# Altium PCB NixieDriver.PcbDoc (continued)
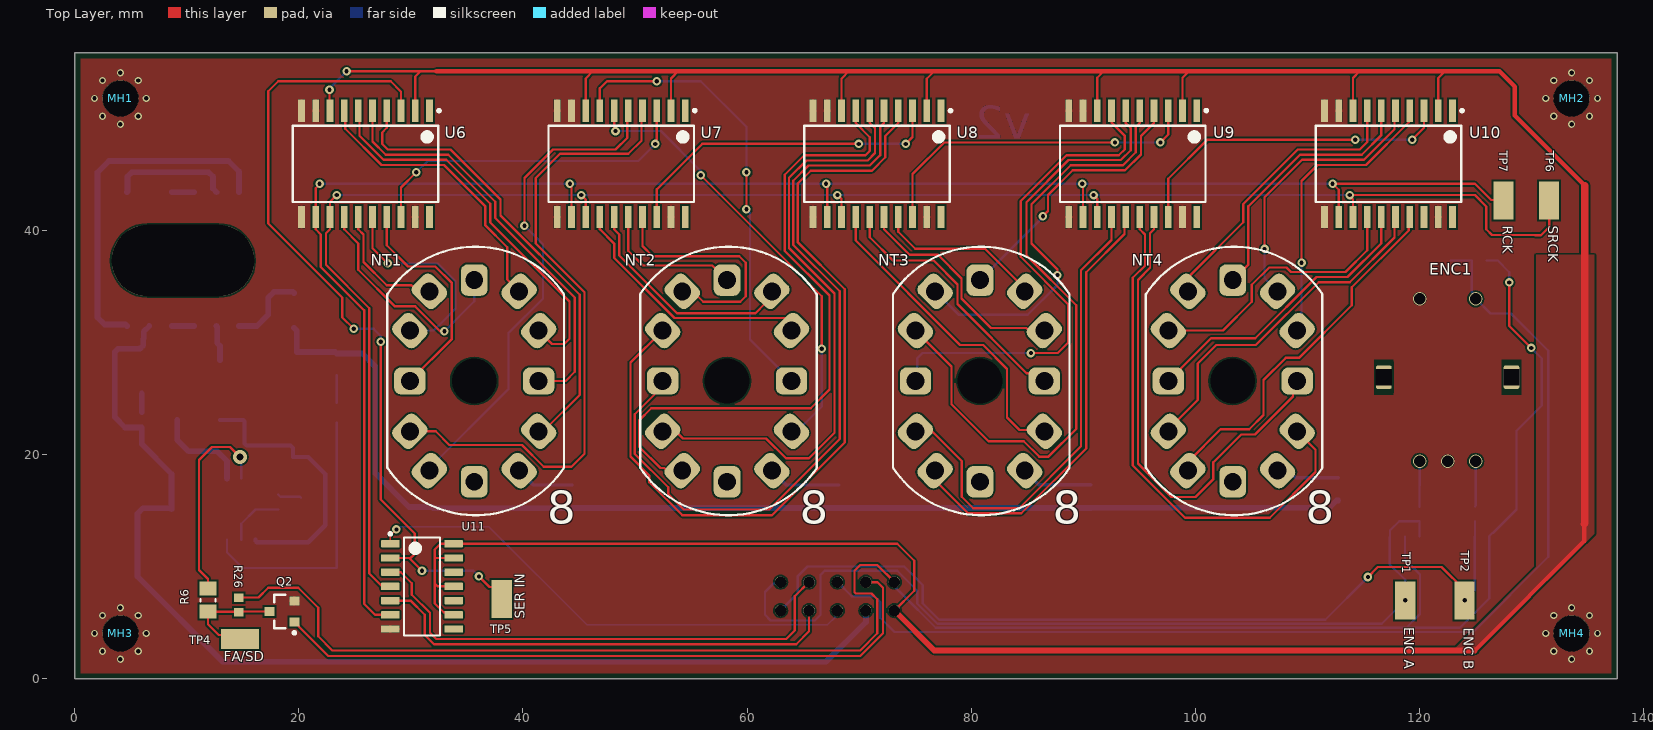
[diagram p0: Top Layer view]
## Part data (continued)
R1 R2 R3 R23 R24 R26: library part CMP-2000-07452-1, "Chip Resistor, 10 KOhm, +/- 1%, 0.1 W, -55 to 155 degC, 0603 (1608 Metric), RoHS, Tape and Reel", Case\/Package=0603, Case Code (Metric)=1608, Manufacturer=Panasonic, Max Operating Temperature=155degC, Max Power Dissipation=100mW, Min Operating Temperature=-55degC, Package Description="2-Pin Surface Mount Device, Body 1.6 x 0.85 mm", Package Quantity=1, Package Reference=603, Resistance=10k, Temperature Coefficient=100ppm\/degreesC, Tolerance=1%, Voltage Rating=75V, Case Code (Imperial)=0603, Composition=ThickFilm, Contact Plating=Tin, Datasheet URL=https://industrial.panasonic.com/cdbs/www-data/pdf/RDA0000/AOA0000C304.pdf, Datasheet Version=02/2017, Depth=0.8mm, Height=0.45mm, Lead Free=LeadFree, Length=1.6mm, Manufacturer URL=http://www.panasonic.com/, Military Standard=Not, Mount=SurfaceMount, Mounting Technology=SurfaceMount, Number of Pins=2, Number of Terminations=2, Packaging=TapeandReel, Power Rating=100mW, Radiation Hardening=No, REACH SVHC=NoSVHC, RoHSCompliant=true, Termination=SMD/SMT, Voltage Rating (DC)=75V, Width=0.031inch
R4: library part CMP-2005-03224-1, Manufacturer=Panasonic, Part Number=ERJ-14NF2490U
R5: library part CMP-2001-04378-1, Manufacturer=Panasonic, Part Number=ERJ-6ENF1004V
R6: library part CMP-2001-03939-1, Manufacturer="Vishay Dale", Part Number=CRCW080547K0FKEA
R7: library part CMP-2001-01154-1, Manufacturer=Yageo, Part Number=RC0805FR-07453KL
R8: library part CMP-1665-00006-4, "Chip Resistor, 4.7 KOhm, +/- 1%, 0.125 W, -55 to 155 degC, 0805 (2012 Metric), RoHS, Tape and Reel", Manufacturer=Panasonic, Max Operating Temperature="155 degC", Min Operating Temperature="-55 degC", Package Quantity=5000, Voltage Rating="150 V", ComponentLink1Description="Manufacturer URL", ComponentLink1URL=http://www.panasonic.com/, ComponentLink2Description=Datasheet, ComponentLink2URL=http://industrial.panasonic.com/cdbs/www-data/pdf/RDA0000/AOA0000C86.pdf, DatasheetVersion=04/2015, Height="0.6 mm", Length="2 mm", Mount="Surface Mount", Mounting Technology="Surface Mount", PackageDescription="2-Pin Surface Mount Device, Body 2 x 1.25 mm", PackageReference=0805, Packaging="Tape and Reel", Pins=2, REACH SVHC=Yes, RoHSCompliant=true
R9: library part CSRN2010FK60L0, "RES 0.06 OHM 1% 1W 2010", Case/Package=2010, Case Code (Metric)=5025, Manufacturer="Stackpole Electronics", Max Operating Temperature=155°C, Max Power Dissipation=1W, Min Operating Temperature=-55°C, Resistance=60mR, Supplier Part Number 1=CSRN2010FK60L0CT-ND, Temperature Coefficient=250ppm/°C, Tolerance=1%, Case Code (Imperial)=2010, ComponentLink1Description=http://www.seielect.com/catalog/SEI-CSR_CSRN.pdf?src-supplier=Avnet, ComponentLink1URL=http://www.seielect.com/catalog/SEI-CSR_CSRN.pdf?src-supplier=Avnet, ComponentLink2Description=http://www.seielect.com/Catalog/SEI-csr.pdf?src-supplier=Future+Electronics, ComponentLink2URL=http://www.seielect.com/Catalog/SEI-csr.pdf?src-supplier=Future+Electronics, ComponentLink3Description=https://www.seielect.com/Catalog/SEI-CSR_CSRN.pdf?src-supplier=Digi-Key, ComponentLink3URL=https://www.seielect.com/Catalog/SEI-CSR_CSRN.pdf?src-supplier=Digi-Key, Composition="Thick Film", Contact Plating=Tin,Matte, Height=0.03inch, Lead Free="Lead Free", Length=0.197inch, Manufacturer Part Number=CSRN2010FK60L0, Mount="Surface Mount", Number of Terminations=2, Packaging="Tape and Reel", Power Rating=1W, Pricing 1="1=0.66000, 10=0.49100, 25=0.39840, 50=0.34660, 100=0.28590, 250=0.24832, 500=0.20212 (USD)", Radiation Hardening=No, RoHS=Yes, Stock 1=91000, Supplier 1=Digi-Key, Width=0.097inch
R10: library part CMP-2000-06926-1, "Chip Resistor, 10.2 KOhm, +/- 1%, 0.1 W, -55 to 155 degC, 0603 (1608 Metric), RoHS, Tape and Reel", Case Code - in=0603, Case Code - mm=1608, Manufacturer=Yageo, Operating Temperature Range=-55Cto+155C, Package / Case=0603(1608metric), Package Description="2-Pin Surface Mount Device, Body 1.6 x 0.8 mm", Power Rating=100mW, Resistance=10.2kOhms, Temperature Coefficient=100PPM/C, Tolerance=1%, Voltage Rating=75V, Brand=Yageo, Datasheet URL=http://www.yageo.com/documents/recent/PYu-RC_Group_51_RoHS_L_7.pdf, Datasheet Version="Rev. 7, 05/2017", Height=0.45mm, Length=1.6mm, Manufacturer URL=http://www.yageo.com/, Mounting Technology=SurfaceMount, Package Reference=0603, Packaging=Reel, Product=ThickFilmResistorsGeneralPurpose, Product Category=ThickFilmResistors, RoHS=True, Series=RC, Termination Style=SMD/SMT, Type=GeneralPurposeChipResistorSurfaceMount, Unit Weight=0.000071oz, Width=0.8mm
R19 R20 R21 R22: library part CMP-2001-03688-1, Manufacturer="Vishay Dale", Resistance=22k, Part Number=CRCW080522K0FKEA
T1: library part CMP-1376-00017-1, "Flexible Transformer for DC/DC Converter WE-FLEX, L=8.5µH", Manufacturer="Wuerth Elektronik", ComponentLink1Description="Manufacturer URL", ComponentLink1URL=http://www.we-online.com, ComponentLink2Description=Datasheet, ComponentLink2URL=http://www.we-online.de/katalog/media/pdf/749196141.pdf, Lbase=8.5µH, PackageReference=ER11_5, PartNumber=749196141
U2: library part CMP-0063-01438-3, "High Efficiency Low-Side N-Channel Controller for Switching Regulator, 8-pin Narrow SOIC, 2500 Reel", Manufacturer="Texas Instruments", PackageTopMarking=NSZXTT*L3478*MA, PowerWise=N, Code_IPC=SOIC127P600-8, Code_JEDEC=MS-012-AA, ComponentLink1Description="Datasheet URL", ComponentLink1URL=http://www.ti.com/general/docs/lit/getliterature.tsp?genericPartNumber=LM3478&fileType=pdf, CompType=MiscPower, High-Reliability=Y, PackageDescription="SOIC Narrow, 4.9 x 3.9 x 1.45mm, 8 Lead, 1.27mm Pitch", PackageReference=D0008A, PartNumber=LM3478MAX/NOPB, PinCount=8, RoHS=Y
U6 U7 U8 U9 U10: library part TPIC6B595DWRG4, "IC PWR 8-BIT SHIFT REGIS 20-SOIC", Case/Package=SOIC-20, Manufacturer="Texas Instruments", Max Operating Temperature=125°C, Max Supply Voltage=5.5V, Min Operating Temperature=-40°C, Min Supply Voltage=4.5V, Operating Supply Voltage=5V, Package Quantity=2000, Supplier Part Number 1=296-26898-1-ND, ComponentLink1Description=https://datasheet.ciiva.com/15093/getdatasheetpartid-416702-15093935.pdf?src-supplier=Verical, ComponentLink1URL=https://datasheet.ciiva.com/15093/getdatasheetpartid-416702-15093935.pdf?src-supplier=Verical, ComponentLink2Description=https://datasheet.ciiva.com/27056/2036461-27056391.pdf?src-supplier=Jameco, ComponentLink2URL=https://datasheet.ciiva.com/27056/2036461-27056391.pdf?src-supplier=Jameco, ComponentLink3Description=https://datasheet.ciiva.com/26866/tpic6b595dwrg4-26866137.pdf?src-supplier=IIIC, ComponentLink3URL=https://datasheet.ciiva.com/26866/tpic6b595dwrg4-26866137.pdf?src-supplier=IIIC, ComponentLink4Description=https://datasheet.ciiva.com/1886/tpic6b595-1886437.pdf?src-supplier=Digi-Key, ComponentLink4URL=https://datasheet.ciiva.com/1886/tpic6b595-1886437.pdf?src-supplier=Digi-Key, ComponentLink5Description=https://datasheet.ciiva.com/1886/tpic6b595-1886438.pdf?src-supplier=Digi-Key, ComponentLink5URL=https://datasheet.ciiva.com/1886/tpic6b595-1886438.pdf?src-supplier=Digi-Key, ComponentLink6Description=https://datasheet.ciiva.com/1886/tpic6b595-1886439.pdf?src-supplier=Digi-Key, ComponentLink6URL=https://datasheet.ciiva.com/1886/tpic6b595-1886439.pdf?src-supplier=Digi-Key, ComponentLink7Description=https://datasheet.ciiva.com/46435/1775182-46435882.pdf?src-supplier=Element14, ComponentLink7URL=https://datasheet.ciiva.com/46435/1775182-46435882.pdf?src-supplier=Element14, ComponentLink8Description=https://datasheet.ciiva.com/48704/001074740-da-01-en-ic-pwr-8-bit-tpic6b595dwrg4-soic-20-tid-48704859.pdf?src-supplier=Conrad, ComponentLink8URL=https://datasheet.ciiva.com/48704/001074740-da-01-en-ic-pwr-8-bit-tpic6b595dwrg4-soic-20-tid-48704859.pdf?src-supplier=Conrad, Contact Plating=Gold, Direction=Unidirectional, Lead Free="Lead Free", Logic Function="Shift Register", Manufacturer Part Number=TPIC6B595DWRG4, Mount="Surface Mount", Number of Bits=8, Number of Bits per Element=8, Number of Circuits=1, Number of Elements=1, Number of Input Lines=1, Number of Output Lines=9, Number of Pins=20, Packaging="Tape and Reel", Pricing 1="1=1.42000, 10=1.27300, 100=0.99260, 500=0.81998, 1000=0.64736 (USD)", Propagation Delay=200ns, Radiation Hardening=No, REACH SVHC="No SVHC", RoHS=Yes, Stock 1=6634, Supplier 1=Digi-Key, Turn-On Delay Time=200ns, Weight=0.018953oz
U11: library part CMP-1615-00282-2, "Hex Inverters, D0014A, LARGE T&R", F @ Nom Voltage(Max)(Mhz)=20, Generic Part Number=SN74HC04, ICC @ Nom Voltage(Max)(mA)=0.02, Manufacturer="Texas Instruments", Operating Temperature Range(C)="-40 to 85", Rating=Catalog, Voltage(Nom)(V)=5, Bits(#)=6, Code_JEDEC=MS-012, DatasheetVersion=SCLS078F, Input Type=CMOS, Output Drive (IOL/IOH)(Max)(mA)=-4/4, Output Type=CMOS, PackageReference=D0014A, Schmitt Trigger=No, Technology Family=HC, tpd @ Nom Voltage(Max)(ns)=20, VCC(Max)(V)=6, VCC(Min)(V)=2

## Free pads (board coordinates)
  rrect100% 12.7x6.35 hole 6.35 slot 12.7 at 0 deg unplated mask+0: 1(9.652,37.338)

## Via types
v1: diameter 0.762, hole 0.381, Top Layer to Bottom Layer, tented both sides, 44 vias
v2: diameter 0.635, hole 0.381, Top Layer to Bottom Layer, tented both sides, 32 vias
v3: diameter 1.27, hole 0.635, Top Layer to Bottom Layer, tented both sides, 1 vias

## Nets (pads, with @x,y where several pads share a name; then routed paths per layer and width w, separated by ;. In a path a pad name is that pad's centre, name@x,y a point inside that pad or via, vN(x,y) a via of type N, cw(c..) or ccw(c..) an arc to the next point about the centre after c; other vN are vias at no path point)
3V3: J1.2 R1.2 R2.2 R3.2 R26.2 | length 173.5
  Top Layer w0.203: R26.2 16.398,7.254 17.272,8.128 19.939,8.128 21.717,6.35 21.717,3.802 22.979,2.54 70.104,2.54 71.628,4.064 71.628,7.112 71.12,7.62 69.715,7.62 69.596,7.739 69.596,9.652 70.104,10.16 71.628,10.16 J1.2 ; v1(128.041,35.382) 128.041,31.496 v1(129.997,29.54)
  Bottom Layer w0.203: J1.2 73.308,8.48 73.308,8.099 73.787,7.62 73.797,7.62 76.845,4.572 118.847,4.572 ; R1.2 118.73,10.658 120.066,9.322 120.066,5.791 118.847,4.572 ; R3.2 127,37.338 128.041,36.297 v1(128.041,35.382) ; v1(129.997,29.54) 130.937,28.6 130.937,24.409 128.676,22.149 128.676,15.123 126.576,13.023 126.526,13.023 126.253,12.75 R2.2 126.253,7.178 123.647,4.572 118.847,4.572
5V: J1.1 U6.2 U6.8 U7.2 U7.8 U8.2 U8.8 U9.2 U9.8 U10.2 U10.8 U11.9 U11.11 U11.13 U11.14 | length 312.2
  Top Layer w0.203: v1(22.733,52.578) 22.733,50.759 U6.8 ; v1(24.257,54.229) 30.861,54.229 ; U6.2 30.388,53.756 30.861,54.229 ; 32.258,54.229 30.861,54.229 ; U11.9 33.59,5.938 32.924,5.938 32.131,6.731 32.131,8.509 ; U11.11 32.385,8.255 32.131,8.509 ; U11.13 32.131,10.795 ; U7.8 45.596,53.597 46.228,54.229 ; U7.2 53.216,53.597 53.848,54.229 ; U8.8 68.425,53.566 69.088,54.229 ; J1.1 74.93,7.874 74.93,10.541 73.406,12.065 U11.14 32.639,12.065 32.131,11.557 32.131,10.795 ; U8.2 76.044,53.565 76.708,54.229 ; U9.8 91.253,53.661 91.821,54.229 ; U9.2 98.873,53.661 99.441,54.229 ; U10.8 114.081,53.629 114.681,54.229 ; U10.2 121.701,53.629 122.301,54.229 ; 32.131,8.509 32.131,10.795
  Top Layer w0.381: 32.258,54.229 46.228,54.229 53.848,54.229 69.088,54.229 76.708,54.229 91.821,54.229 99.441,54.229 114.681,54.229 122.301,54.229 127.158,54.229 128.524,52.863 128.524,50.292 134.772,44.044 ; 124.968,2.54 134.722,12.294 134.722,13.818
  Top Layer w0.508: J1.1 76.708,2.54 124.968,2.54
  Top Layer w0.635: 134.722,13.818 134.772,13.868 134.772,44.044
  Bottom Layer w0.203: v1(22.733,52.578) 22.733,52.705 v1(24.257,54.229)
GND: C1.1 C2.1 C3.1 C4.1 C7.2 C8.1 ENC1.1 ENC1.C MH1.1 MH2.1 MH3.1 MH4.1 Q2.2 R8.1 R9.1 R10.1 T1.8 U2.4 U2.5 U6.9 U6.10 U6.11 U6.19 U7.9 U7.10 U7.11 U7.19 U8.9 U8.10 U8.11 U8.19 U9.9 U9.10 U9.11 U9.19 U10.9 U10.10 U10.11 U10.19 U11.7
  other v2: 4.064,1.753 133.604,1.753 2.464,2.464 5.664,2.464 132.004,2.464 135.204,2.464 1.753,4.064 6.375,4.064 131.293,4.064 135.915,4.064 2.464,5.664 5.664,5.664 132.004,5.664 135.204,5.664 4.064,6.35 133.604,6.35 4.064,49.505 133.604,49.505 2.464,50.216 5.664,50.216 132.004,50.216 135.204,50.216 1.753,51.816 6.375,51.816 131.293,51.816 135.915,51.816 2.464,53.416 5.664,53.416 132.004,53.416 135.204,53.416 4.064,54.102 133.604,54.102
HVDC: C2.2 D1.1 R5.2 R19.2 R20.2 R21.2 R22.2 TP3.1 | length 106.9
  Bottom Layer w0.508: D1.1 19.812,31.089 C2.2 23.226,29.184 R5.2 25.67,29.042 26.822,27.889 26.822,18.364 29.84,15.347 31.897,15.347 TP3.1 44.408,15.24 R19.2 R20.2 90.678,15.256 R21.2 111.991,15.282 112.626,15.917 R22.2
NetC1_2: C1.2 ENC1.2 J1.6 R3.1 | length 101.1
  Bottom Layer w0.203: J1.6 69.342,7.366 71.374,7.366 71.882,6.858 71.882,5.461 73.152,4.191 102.616,4.191 124.816,4.191 131.521,10.897 131.521,29.286 128.194,32.614 126.35,32.614 ENC1.2 125.04,34.194 124.699,34.535 R3.1 C1.2
NetC3_2: C3.2 ENC1.A R23.2 | length 4.1
  Bottom Layer w0.203: R23.2 120.015,17.232 C3.2 120.055,19.409 ENC1.A
NetC4_2: C4.2 ENC1.B R24.2 | length 4.1
  Bottom Layer w0.203: R24.2 125.055,15.484 C4.2 125.055,19.409 ENC1.B
NetC5_1: C5.1 R4.1 | length 1.7
  Bottom Layer w0.508: C5.1 R4.1@5.969,25.472
NetC6_1: C6.1 R8.2 | length 2.2
  Bottom Layer w0.203: C6.1 18.365,16.256 20.089,16.256 R8.2
NetC6_2: C6.2 U2.2 | length 5.2
  Bottom Layer w0.203: U2.2 14.854,13.838 16.131,15.115 C6.2
NetC8_2: C8.2 Q1.S R9.2 U2.1 | length 24.6
  Bottom Layer w0.381: Q1.S@12.954,23.114 15.024,23.114 R9.2 15.151,21.016 15.338,20.828 19.248,20.828 19.471,20.605 C8.2 20.828,19.812 22.352,18.288 22.352,13.716 20.828,12.192 16.234,12.192 16.124,12.301 U2.1
NetD1_2: D1.2 T1.1 | length 7.1
  Bottom Layer w0.508: T1.1 16.25,31.49 17.272,32.512 17.272,34.036 17.78,34.544 19.457,34.544 D1.2
NetJ1_4: J1.4 Q2.1 | length 60.5
  Top Layer w0.203: Q2.1 19.64,5.061 19.938,4.763 19.938,4.713 22.619,2.032 70.104,2.032 72.136,4.064 72.136,8.128 71.628,8.636 J1.4
NetJ1_5: J1.5 U11.1 | length 45.3
  Top Layer w0.152: U11.1 28.163,12.796 v1(28.702,13.335)
  Bottom Layer w0.152: v1(28.702,13.335) 28.842,13.335 29.096,13.589 36.957,13.589 45.72,4.826 67.183,4.826 67.906,5.549 67.906,5.93 J1.5
NetJ1_7: J1.7 U11.5 | length 42.4
  Top Layer w0.203: U11.5 29.972,6.985 31.242,5.715 31.242,3.925 32.069,3.099 64.389,3.099 65.532,4.242 J1.7
NetJ1_8: J1.8 U11.3 | length 45.4
  Top Layer w0.203: U11.3 29.09,9.525 30.08,8.534 30.08,7.512 31.699,5.893 31.699,4.115 32.258,3.556 63.5,3.556 64.262,4.318 64.262,7.366 J1.8
NetJ1_9: J1.9 R2.1 R24.1 TP2.1 | length 77.7
  Top Layer w0.203: v1(115.418,9.093) 116.307,9.982 121.996,9.982 124.054,7.925 v1(124.054,7.01)
  Bottom Layer w0.203: J1.9 64.516,7.62 64.516,9.144 65.405,10.033 74.041,10.033 75.692,8.382 75.692,6.731 77.14,5.283 111.608,5.283 v1(115.418,9.093) ; v1(124.054,7.01) 124.953,7.91 R2.1 124.968,12.715 R24.1
NetJ1_10: J1.10 R1.1 R23.1 TP1.1 | length 79.7
  Bottom Layer w0.203: J1.10 62.873,8.517 62.365,8.517 61.595,7.747 61.595,5.715 62.103,5.207 66.04,5.207 66.548,5.715 66.548,9.279 66.921,9.652 73.406,9.652 75.184,7.874 75.184,6.736 76.993,4.928 116.662,4.928 v1(118.745,7.01) 118.745,8.839 117.373,10.211 117.373,12.649 117.399,12.675 117.399,13.259 118.207,14.067 R23.1 120.03,14.052 R1.1
NetNT1_1: NT1.1 R19.1 | length 5.3
  Bottom Layer w0.305: NT1.1 40.939,17.306 R19.1
NetNT1_2: NT1.2 U6.4 | length 41.1
  Top Layer w0.203: U6.4 27.848,49.184 27.432,48.768 27.432,47.752 27.94,47.244 33.528,47.244 37.994,42.778 37.994,41.356 45.06,34.29 45.06,25.334 41.819,22.094 NT1.2
NetNT1_3: NT1.3 U6.5 | length 37.6
  Top Layer w0.203: U6.5 26.578,47.959 27.751,46.787 33.339,46.787 37.537,42.589 37.537,41.127 44.628,34.036 44.628,27.407 43.815,26.594 NT1.3
NetNT1_4: NT1.4 U6.6 | length 34.9
  Top Layer w0.203: U6.6 25.41,50.622 25.41,48.481 27.561,46.33 33.149,46.33 37.079,42.4 37.079,40.746 44.145,33.68 44.145,30.353 43.688,29.896 42.6,29.896 NT1.4
NetNT1_5: NT1.5 U6.7 | length 25.9
  Top Layer w0.203: U6.7 24.14,50.622 24.14,49.105 27.372,45.872 32.96,45.872 36.622,42.21 36.622,40.518 38.608,38.532 38.608,35.638 NT1.5
NetNT1_6: NT1.6 U6.14 | length 20.8
  Top Layer w0.203: U6.14 24.038,40.122 25.308,38.852 25.308,36.516 28.575,33.249 30.378,33.249 32.588,31.039 v1(32.995,31.039)
  Bottom Layer w0.203: v1(32.995,31.039) 35.652,33.696 NT1.6
NetNT1_7: NT1.7 U6.15 | length 11.2
  Top Layer w0.203: U6.15 25.308,40.122 25.765,39.665 25.765,37.213 27.85,35.128 30.045,35.128 30.579,34.594 NT1.7
NetNT1_8: NT1.8 U6.16 | length 18.7
  Top Layer w0.203: U6.16 26.578,38.446 v1(27.94,37.084)
  Bottom Layer w0.203: v1(27.94,37.084) 32.385,37.084 33.985,35.484 33.985,33.045 32.034,31.094 NT1.8
NetNT1_9: NT1.9 U6.17 | length 20
  Top Layer w0.203: U6.17 27.848,38.7 29.743,36.805 32.182,36.805 33.655,35.331 33.655,30.347 NT1.9
NetNT1_10: NT1.10 U7.4 | length 57.3
  Top Layer w0.203: NT1.10 32.211,22.094 33.426,20.879 39.903,20.879 41.859,18.923 44.323,18.923 45.491,20.091 45.491,34.519 41.148,38.862 41.148,44.704 43.307,46.863 49.403,46.863 50.575,48.035 50.575,50.622 U7.4
NetNT1_11: NT1.11 U7.5 | length 44.1
  Top Layer w0.203: v1(40.132,40.451) 40.132,44.704 42.672,47.244 48.26,47.244 49.305,48.289 49.305,50.622 U7.5
  Bottom Layer w0.203: NT1.11@31.536,18.709 38.71,25.883 38.71,30.861 41.783,33.934 41.783,38.8 v1(40.132,40.451)
NetNT2_1: NT2.1 R20.1 | length 6.5
  Bottom Layer w0.305: NT2.1 63.506,17.306 R20.1
NetNT2_2: NT2.2 U7.6 | length 39.3
  Top Layer w0.203: U7.6 48.136,49.17 48.26,49.046 v1(48.26,48.895) ; v1(55.88,44.958) 66.675,34.163 v1(66.675,29.464)
  Bottom Layer w0.203: v1(48.26,48.895) 52.324,48.895 55.88,45.339 v1(55.88,44.958) ; NT2.2@64.683,22.324 66.675,24.316 v1(66.675,29.464)
NetNT2_3: NT2.3 U7.7 | length 41.4
  Top Layer w0.203: U7.7 46.866,52.708 47.498,53.34 v1(51.943,53.34) ; v1(59.944,41.91) v1(59.944,45.212)
  Bottom Layer w0.203: v1(51.943,53.34) 55.88,53.34 59.944,49.276 v1(59.944,45.212) ; v1(59.944,41.91) 60.274,41.58 60.274,30.288 NT2.3
NetNT2_4: NT2.4 U7.14 | length 23.3
  Top Layer w0.203: U7.14 46.866,40.122 48.136,38.852 48.136,37.589 53.518,32.207 63.8,32.207 NT2.4@64.683,31.324
NetNT2_5: NT2.5 U7.15 | length 19.2
  Top Layer w0.203: U7.15 48.136,40.122 48.593,39.665 48.593,37.792 53.746,32.639 60.748,32.639 NT2.5@61.635,33.525
NetNT2_6: NT2.6 U7.16 | length 12.9
  Top Layer w0.203: U7.16 49.406,38.224 50.724,36.906 56.906,36.906 NT2.6 ; NT2.6@58.9,35.824 NT2.6@58.933,35.824
NetNT2_7: NT2.7 U7.17 | length 21.1
  Top Layer w0.203: U7.17 50.676,38.633 51.587,37.722 51.587,37.719 59.309,37.719 59.893,37.135 59.893,34.163 59.385,33.655 56.102,33.655 NT2.7@54.933,34.824
NetNT2_8: NT2.8 U8.4 | length 75.1
  Top Layer w0.203: NT2.8 49.606,28.231 49.606,19.837 51.283,18.161 51.283,17.551 54.229,14.605 62.23,14.605 68.728,21.103 68.728,34.777 64.516,38.989 64.516,44.196 65.684,45.364 71.152,45.364 72.336,46.549 72.336,48.454 73.505,49.622 U8.4
NetNT2_9: NT2.9 U8.5 | length 67.3
  Top Layer w0.203: NT2.9@51.985,25.625 49.987,23.628 49.987,20.066 52.959,17.094 52.959,16.51 54.356,15.113 61.976,15.113 68.271,21.408 68.271,34.588 64.135,38.723 64.135,44.462 65.495,45.822 70.962,45.822 71.879,46.738 71.879,49.267 72.235,49.622 U8.5
NetNT2_10: NT2.10 U8.6 | length 53.7
  Top Layer w0.203: NT2.10@53.183,22.324 53.421,22.324 54.282,21.463 61.697,21.463 63.475,19.685 65.532,19.685 67.813,21.966 67.813,34.399 63.754,38.458 63.754,44.727 65.306,46.279 70.773,46.279 71.422,46.928 71.422,49.165 70.965,49.622 U8.6
NetNT2_11: NT2.11 U8.7 | length 58.6
  Top Layer w0.203: NT2.11 52.842,18.594 52.611,18.824 52.271,18.824 50.368,20.726 50.368,23.063 51.46,24.155 65.684,24.155 67.356,25.827 67.356,34.209 63.373,38.192 63.373,44.993 65.116,46.736 70.584,46.736 70.965,47.117 70.965,48.352 69.694,49.622 U8.7
NetNT3_1: NT3.1 R21.1 | length 6.4
  Bottom Layer w0.305: NT3.1 86.048,17.332 R21.1
NetNT3_2: NT3.2 U8.14 | length 28.5
  Top Layer w0.203: U8.14 69.694,39.119 79.019,29.794 81.077,29.794 83.21,27.661 83.21,23.332 84.32,22.222 86.407,22.222 NT3.2
NetNT3_3: NT3.3 U8.15 | length 23.7
  Top Layer w0.203: U8.15 70.955,41.214 70.955,39.408 73.025,37.338 76.657,37.338 78.791,35.204 78.791,33.452 84.956,27.287 85.843,27.287 NT3.3
NetNT3_4: NT3.4 U8.16 | length 20.2
  Top Layer w0.203: U8.16 72.235,40.122 74.511,37.846 77.038,37.846 79.146,35.738 79.146,33.96 81.782,31.324 84.928,31.324 85.159,31.094 NT3.4
NetNT3_5: NT3.5 U8.17 | length 14.7
  Top Layer w0.203: U8.17 73.505,39.906 75.009,38.402 81.232,38.402 84.786,34.848 NT3.5@84.786,34.824
NetNT3_6: NT3.6 U9.4 | length 24.3
  Top Layer w0.203: v1(86.411,41.3) 86.868,41.758 86.868,43.18 89.078,45.39 93.741,45.39 95.164,46.813 95.164,48.454 96.333,49.622 U9.4
  Bottom Layer w0.203: NT3.6 86.411,41.219 v1(86.411,41.3)
NetNT3_7: NT3.7 U9.5 | length 36.5
  Top Layer w0.203: v1(87.706,36.043) 87.706,36.551 85.395,38.862 85.395,42.353 88.888,45.847 93.551,45.847 94.707,47.003 94.707,49.267 95.063,49.622 U9.5
  Bottom Layer w0.203: NT3.7@75.84,34.32 NT3.7@75.84,34.722 ; NT3.7 78.868,32.512 85.065,32.512 87.706,35.154 v1(87.706,36.043)
NetNT3_8: NT3.8 U9.6 | length 59
  Top Layer w0.203: NT3.8 78.257,27.872 78.257,24.511 81.559,21.209 84.709,21.209 86.081,19.837 86.919,19.837 89.383,22.301 89.383,33.35 84.938,37.795 84.938,42.543 88.699,46.304 93.362,46.304 94.25,47.192 94.25,49.165 93.793,49.622 U9.6
NetNT3_9: NT3.9 U9.7 | length 45.7
  Top Layer w0.203: v1(85.344,29.083) 87.732,29.083 88.671,30.023 88.671,33.426 84.43,37.668 84.43,42.645 88.52,46.736 93.183,46.736 93.726,47.279 93.726,48.463 92.523,49.666 U9.7
  Bottom Layer w0.203: NT3.9 75.182,26.741 75.182,28.597 75.668,29.083 v1(85.344,29.083)
NetNT3_10: NT3.10 U9.14 | length 43.4
  Top Layer w0.203: NT3.10 75.085,22.044 76.584,22.044 79.172,19.456 79.172,16.256 80.188,15.24 84.291,15.24 89.814,20.763 89.814,36.474 92.523,39.183 U9.14
NetNT3_11: NT3.11 U9.15 | length 40.1
  Top Layer w0.203: NT3.11 76.786,17.728 79.731,14.783 84.48,14.783 90.272,20.574 90.272,36.285 93.691,39.705 93.691,41.122 U9.15
NetNT4_1: NT4.1 R22.1 | length 5.7
  Bottom Layer w0.305: NT4.1 108.342,18.594 108.969,17.967 R22.1
NetNT4_2: NT4.2 U9.16 | length 47.1
  Top Layer w0.203: U9.16 95.063,40.122 95.52,39.665 95.52,36.881 94.437,35.798 94.437,19.038 99.099,14.376 106.655,14.376 110.744,18.466 110.744,20.452 NT4.2
NetNT4_3: NT4.3 U9.17 | length 43.8
  Top Layer w0.203: U9.17 96.333,40.122 95.977,39.767 95.977,36.691 94.894,35.609 94.894,19.228 97.892,16.231 100.025,16.231 101.625,17.831 101.625,19.329 104.115,21.819 105.334,21.819 108.723,25.208 108.723,26.214 NT4.3
NetNT4_4: NT4.4 U10.4 | length 26.3
  Top Layer w0.203: v1(109.499,37.135) 109.499,44.45 110.922,45.872 115.249,45.872 119.059,49.683 119.059,50.622 U10.4
  Bottom Layer w0.203: NT4.4 109.435,31.426 109.435,32.637 109.499,32.701 v1(109.499,37.135)
NetNT4_5: NT4.5 U10.5 | length 24.7
  Top Layer w0.203: v1(106.197,38.379) 106.197,42.988 109.539,46.33 115.06,46.33 117.789,49.059 117.789,50.622 U10.5
  Bottom Layer w0.203: v1(106.197,38.379) 106.197,35.749 NT4.5
NetNT4_6: NT4.6 U10.6 | length 23.9
  Top Layer w0.203: NT4.6 104.75,36.991 104.75,42.187 109.349,46.787 114.87,46.787 116.621,48.537 U10.6
NetNT4_7: NT4.7 U10.7 | length 26
  Top Layer w0.203: NT4.7 99.353,35.827 104.292,40.767 104.292,42.377 109.16,47.244 114.681,47.244 115.351,47.914 U10.7
NetNT4_8: NT4.8 U10.14 | length 24.9
  Top Layer w0.203: NT4.8 102.493,31.094 105.054,33.655 105.054,35.179 106.604,36.728 108.153,36.728 108.56,36.322 113.411,36.322 115.351,38.262 U10.14
NetNT4_9: NT4.9 U10.15 | length 26.4
  Top Layer w0.203: NT4.9 101.413,30.404 105.359,30.404 110.82,35.865 113.6,35.865 116.621,38.885 U10.15
NetNT4_10: NT4.10 U10.16 | length 31.2
  Top Layer w0.203: NT4.10 97.603,22.266 100.228,24.892 100.228,28.143 101.879,29.794 105.41,29.794 111.023,35.408 113.79,35.408 117.789,39.407 117.789,41.122 U10.16
NetNT4_11: NT4.11 U10.17 | length 33
  Top Layer w0.203: NT4.11 99.353,19.368 102.26,22.276 104.826,22.276 106.096,23.546 106.096,26.67 108.077,28.651 109.271,28.651 113.979,33.36 113.979,34.95 119.059,40.031 119.059,41.122 U10.17
NetQ1_D: Q1.D R4.2 T1.2 | length 3.2
  Bottom Layer w0.508: T1.2 12.7,31.442 12.7,29.972 12.954,29.718 Q1.D@12.954,28.454
NetQ1_G: Q1.G U2.6 | length 8.6
  Bottom Layer w0.508: Q1.G 9.144,21.336 10.16,20.32 12.7,20.32 13.584,19.436 U2.6
NetQ2_3: Q2.3 R6.2 R26.1 TP4.1 | length 10.1
  Top Layer w0.203: TP4.1 14.37,3.918 12.846,3.918 11.886,4.878 R6.2 14.592,6.002 R26.1 14.697,6.011 Q2.3
NetR5_1: R5.1 R7.2 | length 2.4
  Bottom Layer w0.203: R7.2 R5.1
NetR6_1: R6.1 U2.7 | length 18.3
  Top Layer w0.203: R6.1 11.886,8.915 11.074,9.727 11.074,19.533 12.243,20.701 13.843,20.701 v3(14.732,19.812)
  Bottom Layer w0.203: v3(14.732,19.812) 14.854,19.69 U2.7
NetR7_1: R7.1 R10.2 U2.3 | length 24.4
  Bottom Layer w0.203: U2.3 13.584,11.308 14.986,9.906 R10.2 23.368,9.921 R7.1
NetT1_3: T1.3 T1.4 | length 2
  Bottom Layer w0.508: T1.4 T1.3
NetT1_6: T1.6 T1.12 | length 31.2
  Bottom Layer w0.508: T1.6 4.519,31.623 2.667,31.623 2.032,32.258 2.032,45.212 3.048,46.228 13.716,46.228 14.652,45.292 T1.12
NetT1_7: T1.7 T1.11 | length 10.9
  Bottom Layer w0.508: T1.7 4.708,43.496 4.708,44.84 5.08,45.212 11.96,45.212 12.332,44.84 12.332,43.76 T1.11
NetT1_9: T1.9 T1.10 | length 2
  Bottom Layer w0.508: T1.9 T1.10
NetTP5_1: TP5.1 U6.3 U11.2 | length 74.3
  Top Layer w0.203: v1(24.892,31.242) 23.876,32.258 23.876,34.036 17.272,40.64 17.272,52.451 18.161,53.34 28.194,53.34 29.118,52.416 U6.3 ; v1(27.305,30.099) 27.305,16.002 30.353,12.954 30.353,11.176 29.972,10.795 29.845,10.795 ; U11.2 29.845,10.795 ; v1(30.988,9.652) 29.845,10.795 ; v1(36.068,9.144) 37.014,8.198 37.302,8.198 38.1,7.399 TP5.1
  Bottom Layer w0.203: v1(24.892,31.242) 26.67,31.242 27.305,30.607 v1(27.305,30.099) ; v1(30.988,9.652) 35.56,9.652 v1(36.068,9.144)
NetTP6_1: TP6.1 U6.13 U7.13 U8.13 U9.13 U10.13 U11.4 | length 160.1
  Top Layer w0.203: v1(23.368,43.18) 22.768,42.58 U6.13 22.768,40.122 22.412,39.767 22.412,36.957 26.289,33.08 26.289,9.398 27.33,8.357 28.061,8.357 U11.4 ; v1(45.212,43.18) 45.596,42.796 U7.13 ; v1(68.072,43.18) 68.425,42.827 U8.13 ; v1(90.932,43.18) 91.253,42.859 U9.13 ; U10.13 114.081,42.782 113.792,43.071 v1(113.792,43.18) 124.968,43.18 125.984,42.164 125.984,40.132 126.492,39.624 130.302,39.624 130.327,39.599 130.861,39.599 131.597,40.335 TP6.1
  Bottom Layer w0.203: v1(23.368,43.18) v1(45.212,43.18) v1(68.072,43.18) v1(90.932,43.18) v1(113.792,43.18)
NetTP7_1: TP7.1 U6.12 U7.12 U8.12 U9.12 U10.12 U11.6 | length 160.7
  Top Layer w0.203: v1(21.844,44.196) 21.844,44.144 21.498,43.798 U6.12 21.498,40.122 21.955,39.665 21.955,36.768 25.832,32.891 25.832,6.68 26.797,5.715 U11.6 ; v1(44.196,44.196) 44.196,44.045 44.326,43.915 U7.12 ; v1(67.056,44.196) 67.155,44.097 U8.12 ; v1(89.916,44.196) 89.983,44.129 U9.12 ; U10.12 112.811,43.653 v1(112.268,44.196) 124.968,44.196 126.422,42.742 127.438,42.742 TP7.1@127.508,42.672
  Bottom Layer w0.203: v1(21.844,44.196) v1(44.196,44.196) v1(67.056,44.196) v1(89.916,44.196) v1(112.268,44.196)
NetU6_18: U6.18 U7.3 | length 30
  Top Layer w0.203: U6.18 29.118,43.85 v1(30.48,45.212) ; v1(51.816,47.752) 51.923,47.859 51.923,48.127 51.946,48.15 U7.3
  Bottom Layer w0.203: v1(30.48,45.212) 31.496,46.228 50.292,46.228 v1(51.816,47.752)
NetU7_18: U7.18 U8.3 | length 29.6
  Top Layer w0.203: U7.18 51.946,43.691 56.007,47.752 v1(69.977,47.752) ; v1(74.168,47.752) 74.775,48.359 U8.3
  Bottom Layer w0.203: v1(69.977,47.752) v1(74.168,47.752)
NetU8_18: U8.18 U9.3 | length 30.3
  Top Layer w0.203: U8.18 74.775,45.057 77.597,47.879 v1(92.837,47.879) ; v1(96.901,47.879) 97.603,48.581 U9.3
  Bottom Layer w0.203: v1(92.837,47.879) v1(96.901,47.879)
NetU9_18: U9.18 U10.3 | length 29.7
  Top Layer w0.203: U9.18 97.603,44.644 101.092,48.133 v1(114.3,48.133) ; v1(119.38,48.133) 120.431,49.184 U10.3
  Bottom Layer w0.203: v1(114.3,48.133) v1(119.38,48.133)
VIN: C5.2 C7.1 J1.3 T1.5 U2.8 | length 101.3
  Bottom Layer w0.508: T1.5 6.156,30.994 6.156,30.381 6.096,30.321 6.096,29.762 5.798,29.464 3.854,29.464 3.556,29.166 3.556,23.368 4.485,22.439 C5.2 5.969,20.955 8.636,18.288 C7.1 8.537,15.24 6.096,15.24 5.588,14.732 5.588,9.144 13.208,1.524 67.056,1.524 70.612,5.08 J1.3
pads on no net: ENC1. NT1.12 NT1.13 NT2.12 NT2.13 NT3.12 NT3.13 NT4.12 NT4.13 U6.1 U6.20 U7.1 U7.20 U8.1 U8.20 U9.1 U9.20 U10.1 U10.18 U10.20 U11.8 U11.10 U11.12

## Polygon pours and split planes (outlines as drawn)
GND on Bottom Layer "Bot-GND" (solid, pour order 30): 0.508,0.508 137.16,0.508 137.16,55.372 0.508,55.372
VIN on Bottom Layer "BotVIN" (solid, pour order 22): 15.875,18.542 15.875,16.764 10.922,16.764 10.16,16.002 6.985,16.002 6.985,14.097 14.478,14.097 15.875,15.494 16.51,15.494 16.51,18.542
NetQ1_D on Bottom Layer "FETDRAIN" (solid, pour order 18): 4.572,29.083 11.938,29.083 11.938,32.639 13.462,32.639 13.462,27.686 4.572,27.686
NetC8_2 on Bottom Layer "FETSRC" (solid, pour order 16): 10.033,23.876 14.478,23.876 14.605,24.003 14.605,24.511 15.748,24.511 15.748,20.574 14.859,20.574 14.605,20.828 14.605,22.352 10.033,22.352
GND on Top Layer "Top-GND" (solid, pour order 28): 0.508,0.508 137.16,0.508 137.16,55.372 0.508,55.372
5V on Top Layer "Top-5V" (solid, pour order 26): 132.004,11.557 122.86,2.413 124.841,2.413 133.985,11.557
5V on Top Layer "Top-5V" (solid, pour order 24): 132.639,37.846 135.636,37.846 135.636,12.954 131.445,8.763 130.429,8.763 130.429,37.846

## Other copper
Bottom Layer:
  text "v2" at 85.344,47.244 h5.08

## Silkscreen, mask and mechanical layers (free items; w line width, h text height)
Top Overlay:
  text "RCK" at 127.127,40.438 h1.5 r270
  text "SRCK" at 131.216,40.437 h1.5 r270
  text "SER IN" at 40.488,5.385 h1.5 r90
  text "ENC A" at 118.364,4.623 h1.5 r270
  text "ENC B" at 123.647,4.572 h1.5 r270
  text "FA/SD" at 13.284,1.245 h1.5
Bottom Overlay:
  drawing of 8 lines, arcs and shapes, not listed
  text "DESIGNED BY" at 73.12,50.022 h2.5
  text "DANGER / HIGH VOLTAGE" at 41.097,11.328 h1.5
Mechanical 1:
  the board outline again, w0.2

## Text inside footprints (layer, text, board x,y; h text height)
NT1: Top Overlay "8" at 42.152,12.844 h5
NT2: Top Overlay "8" at 64.719,12.844 h5
NT3: Top Overlay "8" at 87.286,12.844 h5
NT4: Top Overlay "8" at 109.853,12.844 h5